# Altium PCB STB_ControlBoard.PcbDoc (part 1 of 3) (continued)
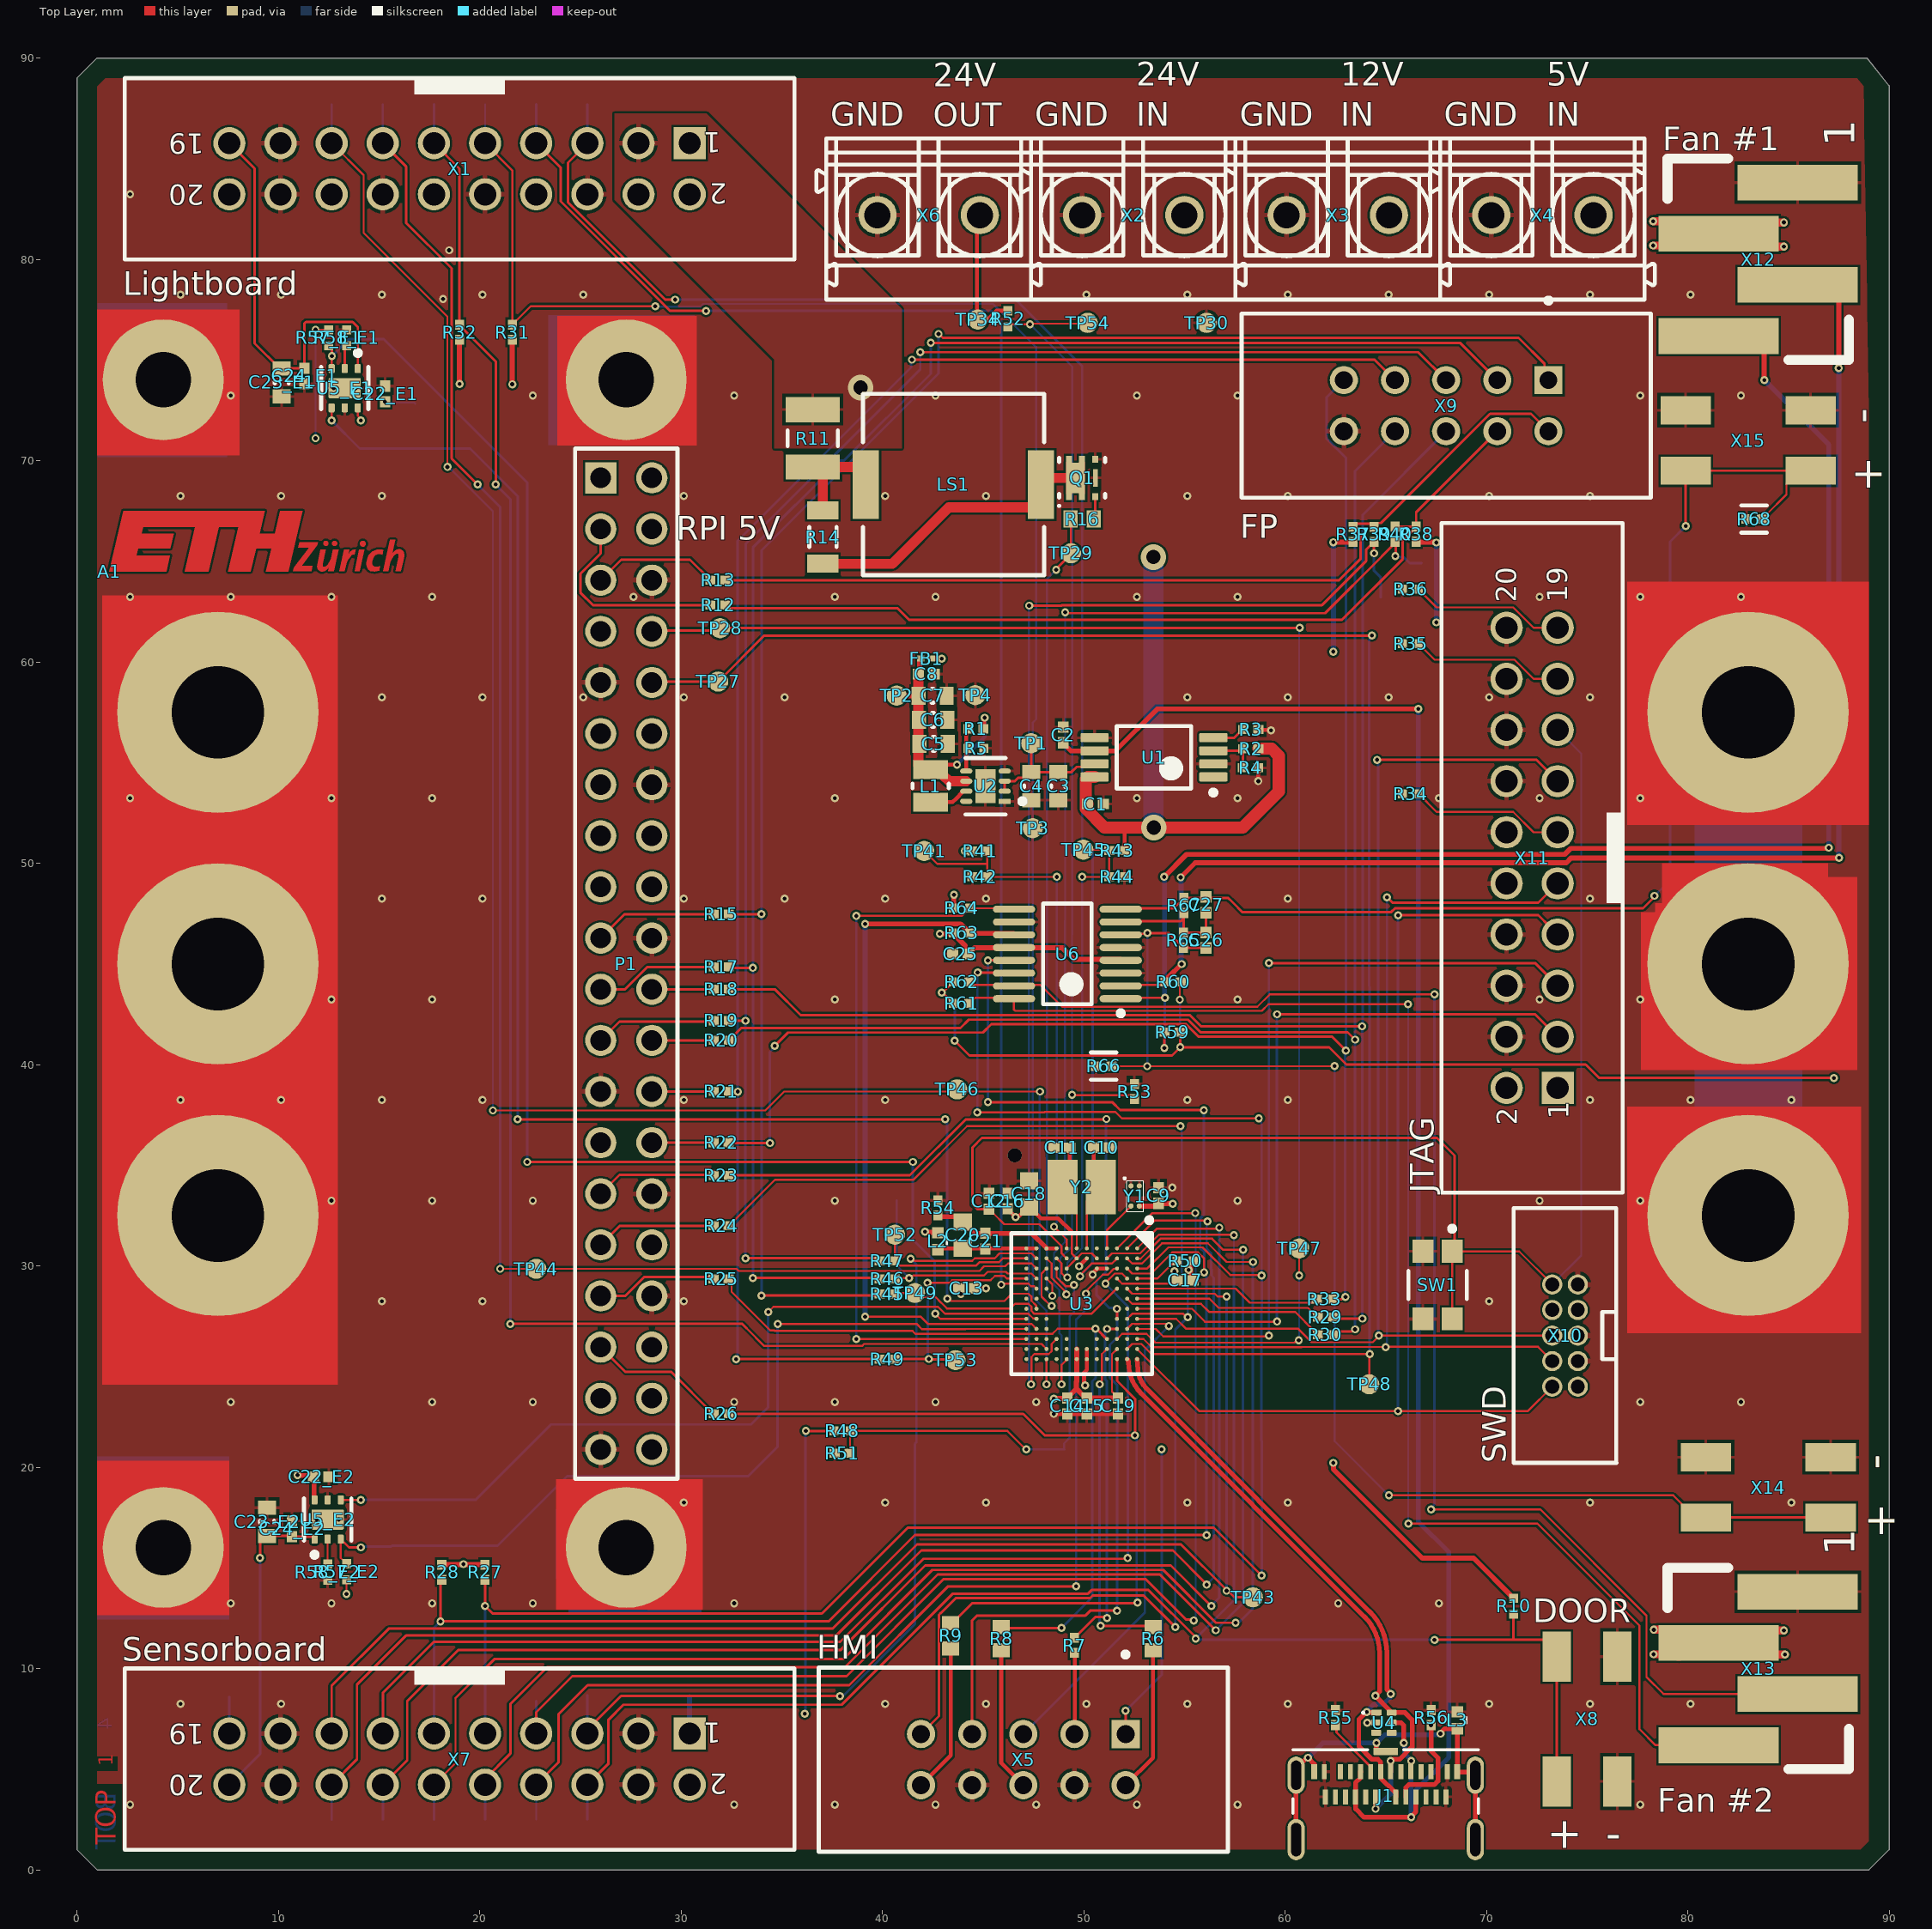
[diagram p0: Top Layer view]
## Part data
A1: library part CMP-00038-1
C1 C2 C8 C9 C12 C13 C14 C15 C16 C17 C19 C21 C22_E1 C22_E2 C24_E1 C24_E2 C25: library part CMP-2000-05439-1, "Chip Capacitor, 100 nF, +/- 10%, 16 V, -55 to 125 degC, 0402 (1005 Metric), RoHS, Tape and Reel", Capacitor Type=Ceramic, Case Size/Dimension=0402, Dielectric=X7R, Manufacturer="Samsung Electro-Mechanics", Manufacturer Part Number=CL05B104KO5NNNC, Max Operating Temperature=125°C, Min Operating Temperature=-55°C, Negative Tolerance=10%, Package Shape=Rectangular, Package Style=SMTMeter, Rated DC Voltage (URdc)=16V, Supplier Part Number 1=1276-1001-6-ND, Tolerance (%)=±10%, Category="Ceramic Capacitors", ComponentLink1Description=https://datasheet.ciiva.com:443/pdfs/VipMasterIC/IC/SEMS/SEMS-S-A0008384515/SEMS-S-A0008872921-1.pdf?src-supplier=IHS+Markit, ComponentLink1URL=https://datasheet.ciiva.com:443/pdfs/VipMasterIC/IC/SEMS/SEMS-S-A0008384515/SEMS-S-A0008872921-1.pdf?src-supplier=IHS+Markit, ComponentLink2Description=https://datasheet.ciiva.com/26920/getdatasheetpartid-359683-26920169.pdf?src-supplier=Verical, ComponentLink2URL=https://datasheet.ciiva.com/26920/getdatasheetpartid-359683-26920169.pdf?src-supplier=Verical, ComponentLink3Description=https://datasheet.ciiva.com/29198/458718-da-01-en-vs-kondensator-0402-29198423.pdf?src-supplier=Conrad, ComponentLink3URL=https://datasheet.ciiva.com/29198/458718-da-01-en-vs-kondensator-0402-29198423.pdf?src-supplier=Conrad, ComponentLink4Description=https://datasheet.ciiva.com/26309/mlcc-catalogdownload2013-eng-26309003.pdf?src-supplier=Distrelec, ComponentLink4URL=https://datasheet.ciiva.com/26309/mlcc-catalogdownload2013-eng-26309003.pdf?src-supplier=Distrelec, ComponentLink5Description=https://datasheet.ciiva.com/16208/cl05b104kq5nnnc-16208343.pdf?src-supplier=Future+Electronics, ComponentLink5URL=https://datasheet.ciiva.com/16208/cl05b104kq5nnnc-16208343.pdf?src-supplier=Future+Electronics, Datasheet URL=https://datasheet.ciiva.com/29198/458718-da-01-en-vs-kondensator-0402-29198423.pdf, Datasheet Version=Nov-10, Dielectric Material=Ceramic, Height=0.55mm, JESD-609 Code=e3, Length=1mm, Manufacturer URL=http://www.samsungsem.com/global/index.jsp, Mount="Surface Mount", Multilayer=Yes, Number of Pins=2, Packaging="Tape and Reel", Positive Tolerance=10%, Pricing 1="1=0.10000, 10=0.02400, 50=0.01300, 100=0.01050, 500=0.00752, 1000=0.00592, 2500=0.00538, 5000=0.00495 (USD)", Rated Voltage=16V, REACH SVHC=Yes, RoHS=Yes, RoHS Compliant=Yes, Size Code=0402, Stock 1=24854634, Supplier 1=Digi-Key, Temperature Characteristics Code=X7R, Terminal Finish=Nickel, Termination=Wraparound, Width=0.5mm
C3 C4 C5 C6 C7 C23_E1 C23_E2: library part CMP-1035-02799-1, "CAP 10uF 10V ±10% 0603 (1608 Metric) Thickness 1mm SMD", Case Code (Imperial)=0603, Case Code (Metric)=1608, Dielectric=X5R, Manufacturer=Samsung, Manufacturer Part Number=CL10A106MP8NNNC, Max Operating Temperature=85°C, Min Operating Temperature=-55°C, Package Quantity=1, Rated Voltage="10 V", Supplier Part Number 1=1276-1871-1-ND, Tolerance=Â±10%, Voltage Rating=10V, Capacitance=10uF, Case-EIA=0603, Case-Metric=1608, Case/Package=0603, Category="Ceramic Capacitors", ComponentLink1Description=https://datasheet.ciiva.com/25793/cl10a106mp8nnnc-25793222.pdf?src-supplier=Digi-Key, ComponentLink1URL=https://datasheet.ciiva.com/25793/cl10a106mp8nnnc-25793222.pdf?src-supplier=Digi-Key, ComponentLink2Description=https://datasheet.ciiva.com/16200/cl10a106mp8nnnc-16200411.pdf?src-supplier=Future+Electronics, ComponentLink2URL=https://datasheet.ciiva.com/16200/cl10a106mp8nnnc-16200411.pdf?src-supplier=Future+Electronics, ComponentLink3Description=https://datasheet.ciiva.com/26946/getdatasheetpartid-357531-26946980.pdf?src-supplier=Verical, ComponentLink3URL=https://datasheet.ciiva.com/26946/getdatasheetpartid-357531-26946980.pdf?src-supplier=Verical, Contact Plating=Tin, Depth=0.8mm, Height=0.8mm, Lead Free="Lead Free", Length=1.6mm, Max Thickness="1 mm", Mount="Surface Mount", Packaging="Tape and Reel", Pricing 1="1=0.26000, 10=0.17600, 50=0.10580, 100=0.08930, 500=0.06112, 1000=0.05407 (USD)", Radiation Hardening=No, RoHS=Yes, Stock 1=643992, Supplier 1=Digi-Key, Technology=SMT, Thickness=0.035inch, Voltage Rating (DC)=10V, Width=0.031inch
C10 C11: library part CMP-2008-03924-1, Capacitor Type=Ceramic, Manufacturer=Murata, Manufacturer Part Number=GRM1555C1H160JA01D, Max Operating Temperature=125°C, Min Operating Temperature=-55°C, Negative Tolerance=5%, Package Shape=Rectangular, Package Style=SMTMeter, Rated DC Voltage (URdc)=50V, Supplier Part Number 1=490-5926-6-ND, Temperature Characteristics Code=C0G, Category="Ceramic Capacitors", ComponentLink1Description=https://datasheet.ciiva.com:443/pdfs/VipMasterIC/IC/MURE/MURE-S-A0004347008/MURE-S-A0004347353-1.pdf?src-supplier=IHS+Markit, ComponentLink1URL=https://datasheet.ciiva.com:443/pdfs/VipMasterIC/IC/MURE/MURE-S-A0004347008/MURE-S-A0004347353-1.pdf?src-supplier=IHS+Markit, ComponentLink2Description=https://datasheet.ciiva.com/6256/grm1555c1h160ja01-01-6256808.pdf?src-supplier=Digi-Key, ComponentLink2URL=https://datasheet.ciiva.com/6256/grm1555c1h160ja01-01-6256808.pdf?src-supplier=Digi-Key, ComponentLink3Description=https://datasheet.ciiva.com/3778/10932grm1555c1h160ja0123-3778199.pdf?src-supplier=Arrow+Electronics, ComponentLink3URL=https://datasheet.ciiva.com/3778/10932grm1555c1h160ja0123-3778199.pdf?src-supplier=Arrow+Electronics, ComponentLink4Description=https://datasheet.ciiva.com/18184/getdatasheetpartid-319096-18184204.pdf?src-supplier=Verical, ComponentLink4URL=https://datasheet.ciiva.com/18184/getdatasheetpartid-319096-18184204.pdf?src-supplier=Verical, ComponentLink5Description=https://datasheet.ciiva.com/22698/1666664-22698393.pdf?src-supplier=Element14, ComponentLink5URL=https://datasheet.ciiva.com/22698/1666664-22698393.pdf?src-supplier=Element14, ComponentLink6Description=https://datasheet.ciiva.com/6256/partnumbering-e-01-6256810.pdf?src-supplier=Digi-Key, ComponentLink6URL=https://datasheet.ciiva.com/6256/partnumbering-e-01-6256810.pdf?src-supplier=Digi-Key, ComponentLink7Description=https://datasheet.ciiva.com/6256/partnumbering-e-01-6256812.pdf?src-supplier=Digi-Key, ComponentLink7URL=https://datasheet.ciiva.com/6256/partnumbering-e-01-6256812.pdf?src-supplier=Digi-Key, ComponentLink8Description=https://datasheet.ciiva.com/5426/product-5426941.pdf?src-supplier=Mouser, ComponentLink8URL=https://datasheet.ciiva.com/5426/product-5426941.pdf?src-supplier=Mouser, Dielectric Material=Ceramic, Height=0.5mm, JESD-609 Code=e3, Length=1mm, Mount="Surface Mount", Multilayer=Yes, Number of Pins=2, Packaging="Tape and Reel", Part Number=GRM1555C1H160JA01D, Positive Tolerance=5%, Pricing 1="1=0.10000, 10=0.05200, 50=0.02840, 100=0.02330, 500=0.01662, 1000=0.01305, 2500=0.01187, 5000=0.01092 (USD)", Reach SVHC Compliant=Yes, RoHS=Yes, RoHS Compliant=Yes, Size Code=0402, Stock 1=2256141, Supplier 1=Digi-Key, Terminal Finish=Nickel, Termination=Wraparound, Width=0.5mm
C18 C20: library part CMP-2006-02298-2, Capacitor Type=Ceramic, Manufacturer=Kemet, Manufacturer Part Number=C0603C105K4RACTU, Max Operating Temperature=125°C, Min Operating Temperature=-55°C, Negative Tolerance=10%, Package Shape=Rectangular, Package Style=SMTMeter, Rated DC Voltage (URdc)=16V, Supplier Part Number 1=399-C0603C105K4RAC7867DKR-ND, Temperature Characteristics Code=X7R, Category="Ceramic Capacitors", ComponentLink1Description=https://datasheet.ciiva.com:443/pdfs/VipMasterIC/IC/KEME/KEME-S-A0008991654/KEME-S-A0008991654-1.pdf?src-supplier=IHS+Markit, ComponentLink1URL=https://datasheet.ciiva.com:443/pdfs/VipMasterIC/IC/KEME/KEME-S-A0008991654/KEME-S-A0008991654-1.pdf?src-supplier=IHS+Markit, Dielectric Material=Ceramic, Height=0.8mm, JESD-609 Code=e3, Length=1.6mm, Mount="Surface Mount", Multilayer=Yes, Number of Pins=2, Packaging="Tape and Reel", Part Number=C0603C105K4RACTU, Positive Tolerance=10%, Pricing 1="1=0.10000, 10=0.07700, 50=0.04180, 100=0.03410, 500=0.02440, 1000=0.01916 (USD)", REACH SVHC=Yes, RoHS=Yes, RoHS Compliant=Yes, Size Code=0603, Stock 1=1549593, Supplier 1=Digi-Key, Terminal Finish=Nickel, Termination=Wraparound, Width=0.8mm
C26 C27: library part CMP-2008-02464-1, Capacitor Type=Ceramic, Manufacturer="AVX Interconnect / Elco", Manufacturer Part Number=04023A101KAT2A, Max Operating Temperature=125°C, Min Operating Temperature=-55°C, Negative Tolerance=10%, Package Shape=Rectangular, Package Style=SMTMeter, Rated DC Voltage (URdc)=25V, Supplier Part Number 1=478-12608-6-ND, Temperature Characteristics Code=C0G, Category="Ceramic Capacitors", ComponentLink1Description=https://datasheet.ciiva.com:443/pdfs/VipMasterIC/IC/AVXC/AVXC-S-A0008899940/AVXC-S-A0008899940-1.pdf?src-supplier=IHS+Markit, ComponentLink1URL=https://datasheet.ciiva.com:443/pdfs/VipMasterIC/IC/AVXC/AVXC-S-A0008899940/AVXC-S-A0008899940-1.pdf?src-supplier=IHS+Markit, ComponentLink2Description=https://datasheet.ciiva.com/26949/getdatasheetpartid-709922-26949850.pdf?src-supplier=Verical, ComponentLink2URL=https://datasheet.ciiva.com/26949/getdatasheetpartid-709922-26949850.pdf?src-supplier=Verical, ComponentLink3Description=https://datasheet.ciiva.com/206/ccog-206339.pdf?src-supplier=Digi-Key, ComponentLink3URL=https://datasheet.ciiva.com/206/ccog-206339.pdf?src-supplier=Digi-Key, ComponentLink4Description=https://datasheet.ciiva.com/7348/759117-7348584.pdf?src-supplier=Newark, ComponentLink4URL=https://datasheet.ciiva.com/7348/759117-7348584.pdf?src-supplier=Newark, ComponentLink5Description=https://datasheet.ciiva.com/2990/ccog-2990123.pdf?src-supplier=Avnet, ComponentLink5URL=https://datasheet.ciiva.com/2990/ccog-2990123.pdf?src-supplier=Avnet, ComponentLink6Description=https://datasheet.ciiva.com/28453/1796416-28453629.pdf?src-supplier=Element14, ComponentLink6URL=https://datasheet.ciiva.com/28453/1796416-28453629.pdf?src-supplier=Element14, Dielectric Material=Ceramic, Height=0.56mm, JESD-609 Code=e3, Length=1mm, Mount="Surface Mount", Multilayer=Yes, Number of Pins=2, Packaging="Tape and Reel", Part Number=04023A101KAT2A, Positive Tolerance=10%, Pricing 1="1=0.11000, 10=0.07800, 50=0.04240, 100=0.03460, 500=0.02474, 1000=0.01944, 2500=0.01768, 5000=0.01626 (USD)", REACH SVHC=Yes, RoHS=Yes, RoHS Compliant=Yes, Size Code=0402, Stock 1=32266, Supplier 1=Digi-Key, Terminal Finish=Nickel, Termination=Wraparound, Width=0.5mm
FB1: library part CMP-0686-00058-2, "Chip Ferrite Bead for Power lines and Signal Lines, 80 Ohm, 500 mA, -55 to 125 degC, 0.6 x 0.3 x 0.33 mm SMD, Tape and Reel", Case Code (Imperial)=0201, Case Code (Metric)=0603, Current Rating=500mA, DC Resistance="0.18 Ohm Max.", DC Resistance (DCR)=180mR, Manufacturer=Murata, Manufacturer Part Number=BLM03AX800SN1D, Max Operating Temperature=125°C, Min Operating Temperature=-55°C, Operating Temperature Range="-55 to 125 degC", Package Quantity=1, Rated Current="500 mA", Supplier Part Number 1=490-5621-1-ND, Test Frequency=100MHz, Tolerance=25%, Case/Package=0201, Category=Inductors, ComponentLink1Description="Manufacturer URL", ComponentLink1URL=http://www.murata.com/, ComponentLink2Description=Datasheet, ComponentLink2URL=http://www.murata.com/products/catalog/pdf/c31e.pdf, ComponentLink3Description="Package Specification", ComponentLink3URL=http://www.murata.com/products/catalog/pdf/c31e.pdf, ComponentLink4Description=https://datasheet.ciiva.com/1013/l0110s0100blm03ax-1013986.pdf?src-supplier=Digi-Key, ComponentLink4URL=https://datasheet.ciiva.com/1013/l0110s0100blm03ax-1013986.pdf?src-supplier=Digi-Key, ComponentLink5Description=https://datasheet.ciiva.com/41449/001172131-da-01-en-drossel-0201-80r-0-6x0-3mm-15000st-41449422.pdf?src-supplier=Conrad, ComponentLink5URL=https://datasheet.ciiva.com/41449/001172131-da-01-en-drossel-0201-80r-0-6x0-3mm-15000st-41449422.pdf?src-supplier=Conrad, ComponentLink6Description=https://datasheet.ciiva.com/1013/l0110e-1013987.pdf?src-supplier=Digi-Key, ComponentLink6URL=https://datasheet.ciiva.com/1013/l0110e-1013987.pdf?src-supplier=Digi-Key, ComponentLink7Description=https://datasheet.ciiva.com/1013/l0110e-1013988.pdf?src-supplier=Digi-Key, ComponentLink7URL=https://datasheet.ciiva.com/1013/l0110e-1013988.pdf?src-supplier=Digi-Key, ComponentLink8Description=https://datasheet.ciiva.com/46423/1851884-46423882.pdf?src-supplier=Element14, ComponentLink8URL=https://datasheet.ciiva.com/46423/1851884-46423882.pdf?src-supplier=Element14, DatasheetVersion=08/2013, Height=0.3mm, Impedance=80R, Impedance (at 100 MHz)="80 Ohm +/- 25%", Length=0.6mm, Material=Steel, Max Current Rating=500mA, Max DC Current=500mA, Mounting Technology="Surface Mount", Number of Circuits=1, Number of Lines=1, Number of Pins=2, PackageDescription="2-Pin Chip, Body 0.6 x 0.3 mm", PackageReference=BLM03-2, Packaging="Tape and Reel", Packing="Tape and Reel", PartNumber=BLM03AX800SN1D, Pricing 1="1=0.19000, 10=0.15200, 25=0.11840, 50=0.09820, 100=0.08470, 250=0.06776, 500=0.06098, 1000=0.05082, 5000=0.04743 (USD)", REACH SVHC="No SVHC", RoHS=Yes, Stock 1=13310, Supplier 1=Digi-Key, Termination=SMD/SMT, Width=0.3mm
J1: library part CMP-00966-1, "USB TYPE C, REC IPX8 ON BOARD DUAL SMT", Flammability Rating="UL 94 V-0", IP Rating=IP67, Manufacturer="TE Connectivity", Contact Material="Copper Alloy", Contact Plating=Gold, Gender=Female, Manufacturer Part Number=2305018-2, Mounting Angle="Right Angle", Mounting Style=Panel, Number of Contacts=24, Number of Ports=1, PartId=1, Shell Plating=Nickel, Standard=USB, Termination Style=SMD/SMT, Type=C
L1: library part CMP-01651-1, "2.2µH Shielded Wirewound Inductor 1.8A 116mOhm Max 0806 (2016 Metric)", Current - Saturation=2.4A, Current Rating (Amps)=1,8A, DC Resistance (DCR)="116mOhm Max", Frequency - Self Resonant=-, Inductance=2,2µH, Inductance Frequency - Test=1MHz, Manufacturer="Murata Electronics", Manufacturer Part Number=DFE201612E-2R2M=P2, Operating Temperature="-40°C ~ 125°C", Package / Case="0806 (2016 Metric)", Supplier Device Package=0806, Tolerance=±20%, Features=-, Material - Core=Metal, Mounting Type="Surface Mount", Packaging="Tape & Reel (TR)", Part Status=Active, Q @ Freq=-, Ratings=-, Series=DFE201612E, Shielding=Shielded, Type=Wirewound
L2 L3: library part CMP-00193-1, "30 Ohm 1 Power, Signal Line Ferrite Bead 0402 (1005 Metric) 500mA 300 mOhm Max DCR", Current Rating (Max)=500mA, DC Resistance (DCR) (Max)="300 mOhm", Impedance @ Frequency="30 Ohm @ 100MHz", Manufacturer="Laird-Signal Integrity Products", Operating Temperature="-40°C ~ 125°C", Package / Case="0402 (1005 Metric)", Ratings=-, Supplier Part Number=240-2362-1-ND, ComponentLink1Description=Catalog_EMI%20Filtering%20&%20RF%20Inductors.pdf, ComponentLink1URL=http://cdn.lairdtech.com/home/brandworld/files/Catalog_EMI%20Filtering%20&%20RF%20Inductors.pdf, Filter Type="Power, Signal Line", Manufacturer Part Number=LI0402E300R-10, Mounting Type="Surface Mount", Number of Lines=1, Packaging="Cut Tape (CT)", Part Status=Active, Supplier=Digi-Key
LS1: library part CMP-2000-05252-1, "Audio Indicators & Alerts Piezo Buzzer, 12.5 V, -40 to 85 degC, 2-Pin SMD, RoHS, Tape and Reel", Frequency=4kHz, Manufacturer=Murata, Voltage Rating=12.5VDC, Application=AlertBeep, Brand=MurataElectronics, Datasheet URL=https://datasheet.ciiva.com/24244/pkmcs0909e4000-r1-304946-24244386.pdf, Datasheet Version=Feb-13, Dimensions=9mmLx9mmWx1.9mmH, Factory Pack Quantity=2000, Height=1.9mm, Height - in=0.075in, Height - mm=1.9mm, Length=9mm, Length - in=0.354in, Length - mm=9mm, Manufacturer Part Number=PKMCS0909E4000-R1, Manufacturer URL=http://www.murata.com/, Mounting=SMD/SMT, Packaging=Reel, Product=Speakers, Product Category=AudioIndicators&Alerts, RoHS=True, Series=PK, Sound Pressure Level=65dBA, Termination Style=GullwingLead, Tone=Beep, Tradename=PIEZORINGER, Type=Piezoelectric, Width=9mm, Width - in=0.354in, Width - mm=9mm
M1 M2: "EMI/EMD/EMC Protections", Manufacturer="Phoenix Contact", Supplier Part Number 1=277-2289-ND, Category=Connectors, ComponentLink1Description=https://datasheet.ciiva.com:443/pdfs/VipMasterIC/IC/PCON/PCON-S-A0000016077/PCON-S-A0000017096-1.pdf?src-supplier=IHS+Markit, ComponentLink1URL=https://datasheet.ciiva.com:443/pdfs/VipMasterIC/IC/PCON/PCON-S-A0000016077/PCON-S-A0000017096-1.pdf?src-supplier=IHS+Markit, ComponentLink2Description=https://datasheet.ciiva.com/6712/1202713-6712528.pdf?src-supplier=Digi-Key, ComponentLink2URL=https://datasheet.ciiva.com/6712/1202713-6712528.pdf?src-supplier=Digi-Key, ComponentLink3Description=https://datasheet.ciiva.com/15656/1202713-15656099.pdf?src-supplier=Onlinecomponents.com, ComponentLink3URL=https://datasheet.ciiva.com/15656/1202713-15656099.pdf?src-supplier=Onlinecomponents.com, ComponentLink4Description=https://datasheet.ciiva.com/29271/715928-da-01-de-schienenadapter-1202713-10-st-29271415.pdf?src-supplier=Conrad, ComponentLink4URL=https://datasheet.ciiva.com/29271/715928-da-01-de-schienenadapter-1202713-10-st-29271415.pdf?src-supplier=Conrad, ComponentLink5Description=https://datasheet.ciiva.com/14616/70171402-14616683.pdf?src-supplier=Allied+Electronics, ComponentLink5URL=https://datasheet.ciiva.com/14616/70171402-14616683.pdf?src-supplier=Allied+Electronics, Manufacturer Part Number=1202713, Pricing 1="1=1.92000, 10=1.47000, 50=1.35240, 100=1.24950, 250=1.19072, 500=1.11720, 1000=1.05876, 2500=1.03951, 5000=1.02411 (USD)", RoHS=Yes, Stock 1=1956, Supplier 1=Digi-Key
P1: library part CMP-1024-00454-1, "0.025\" SQ Post Header, Through-hole, Vertical, -55 to 125 degC, 2.54 mm Pitch, 40-Pin, Male, RoHS", Manufacturer=Samtec, Temperature Range="-55 to 125 degC", ComponentLink1Description="Manufacturer URL", ComponentLink1URL=http://www.samtec.com, ComponentLink2Description=Datasheet, ComponentLink2URL=http://www.samtec.com/documents/webfiles/pdf/TSW_TH.PDF, ComponentLink3Description="Package Specification", ComponentLink3URL=http://www.samtec.com/documents/webfiles/cpdf/TSW-XXX-XX-XXX-X-XX-XXX-MKT.pdf, DatasheetVersion=F-214, Manufacturer Part Number=TSW-120-24-L-D, Mounting Technology=Through-hole, Orientation=Vertical, PackageDescription=".025[0.64] SQ. Post Terminal Strip Assembly", PackageReference=TSW-120-24-X-D, PackageVersion="DM, 8/1988", Pitch="2.54 mm", RoHS=True
Q1: "VISHAY   SIA440DJ-T1-GE3   MOSFET Transistor, N Channel, 12 A, 40 V, 0.021 ohm, 10 V", Continuous Drain Current (ID)=12A, Drain to Source Breakdown Voltage=40V, Drain to Source Resistance=26mR, Gate to Source Voltage (Vgs)=12V, Input Capacitance=700pF, Manufacturer="Vishay Siliconix", Max Operating Temperature=150°C, Max Power Dissipation=19W, Min Operating Temperature=-55°C, Package Quantity=3000, Supplier Part Number 1=SIA440DJ-T1-GE3CT-ND, Category=MOSFETs, ComponentLink1Description=https://datasheet.ciiva.com/29746/sia440dj-29746688.pdf?src-supplier=Digi-Key, ComponentLink1URL=https://datasheet.ciiva.com/29746/sia440dj-29746688.pdf?src-supplier=Digi-Key, ComponentLink2Description=https://datasheet.ciiva.com/24094/sia440dj-267638-24094753.pdf?src-supplier=Mouser, ComponentLink2URL=https://datasheet.ciiva.com/24094/sia440dj-267638-24094753.pdf?src-supplier=Mouser, Drain to Source Voltage (Vdss)=40V, Element Configuration=Single, Fall Time=5ns, Height=0.75mm, Length=2.05mm, Manufacturer Part Number=SIA440DJ-T1-GE3, Mount="Surface Mount", Number of Channels=1, Number of Pins=6, Packaging="Tape and Reel", Pricing 1="1=0.46000, 10=0.39000, 25=0.36400, 100=0.27040, 250=0.25688, 500=0.21112, 1000=0.17160 (USD)", Radiation Hardening=No, Rds On Max=26mR, REACH SVHC=Unknown, Rise Time=32ns, RoHS=Yes, Stock 1=7570, Supplier 1=Digi-Key, Turn-Off Delay Time=23ns, Turn-On Delay Time=12ns, Width=2.05mm
R1 R2: library part CMP-2002-07696-1, Manufacturer="Yageo / Phycomp", Manufacturer Part Number=RC0402FR-07470KL, Max Operating Temperature=155°C, Min Operating Temperature=-55°C, Package Height=0.35mm, Package Length=1mm, Package Shape=Rectangular, Package Style=SMTMeter, Package Width=0.5mm, Rated Power Dissipation (P)=62.5mW, Rated Temperature=70°C, Resistor Type="FIXED RESISTOR", Supplier Part Number 1=311-470KLRDKR-ND, Temperature Coefficient=100ppm/°C, Tolerance=1%, Working Voltage=50V, Additional Feature="LASER TRIMMABLE", Category="Chip SMD Resistors", ComponentLink1Description=https://datasheet.ciiva.com:443/pdfs/VipMasterIC/IC/YAGO/YAGO-S-A0008145938/YAGO-S-A0008145938-1.pdf?src-supplier=IHS+Markit, ComponentLink1URL=https://datasheet.ciiva.com:443/pdfs/VipMasterIC/IC/YAGO/YAGO-S-A0008145938/YAGO-S-A0008145938-1.pdf?src-supplier=IHS+Markit, ComponentLink2Description=https://datasheet.ciiva.com/11819/0900766b80c66297-11819514.pdf?src-supplier=RSComponents, ComponentLink2URL=https://datasheet.ciiva.com/11819/0900766b80c66297-11819514.pdf?src-supplier=RSComponents, ComponentLink3Description=https://datasheet.ciiva.com/46412/1018594-46412837.pdf?src-supplier=Element14, ComponentLink3URL=https://datasheet.ciiva.com/46412/1018594-46412837.pdf?src-supplier=Element14, ComponentLink4Description=https://datasheet.ciiva.com/2453/pyu-r-int-thick-7-2453434.pdf?src-supplier=Digi-Key, ComponentLink4URL=https://datasheet.ciiva.com/2453/pyu-r-int-thick-7-2453434.pdf?src-supplier=Digi-Key, ComponentLink5Description=https://datasheet.ciiva.com/2453/pyu-r-int-thick-7-2453435.pdf?src-supplier=Digi-Key, ComponentLink5URL=https://datasheet.ciiva.com/2453/pyu-r-int-thick-7-2453435.pdf?src-supplier=Digi-Key, ComponentLink6Description=https://datasheet.ciiva.com/2453/pyu-r-int-thick-7-2453433.pdf?src-supplier=Digi-Key, ComponentLink6URL=https://datasheet.ciiva.com/2453/pyu-r-int-thick-7-2453433.pdf?src-supplier=Digi-Key, ComponentLink7Description=https://datasheet.ciiva.com/7850/1018594-7850012.pdf?src-supplier=Element14, ComponentLink7URL=https://datasheet.ciiva.com/7850/1018594-7850012.pdf?src-supplier=Element14, ComponentLink8Description=https://datasheet.ciiva.com/7850/1018594-7850013.pdf?src-supplier=Element14, ComponentLink8URL=https://datasheet.ciiva.com/7850/1018594-7850013.pdf?src-supplier=Element14, ComponentLink9Description=https://datasheet.ciiva.com/15189/getdatasheetpartid-325138-15189462.pdf?src-supplier=Verical, ComponentLink9URL=https://datasheet.ciiva.com/15189/getdatasheetpartid-325138-15189462.pdf?src-supplier=Verical, Construction=Chip, JESD-609 Code=e3, Mount="Surface Mount", Number of Pins=2, Packaging="Tape and Reel", Part Number=RC0402FR-07470KL, Pricing 1="1=0.10000, 10=0.01500, 100=0.00600, 1000=0.00267, 2500=0.00232, 5000=0.00192 (USD)", REACH SVHC=Yes, RoHS=Yes, RoHS Compliant=Yes, Size Code=0402, Stock 1=1650716, Supplier 1=Digi-Key, Technology="METAL GLAZE/THICK FILM", Terminal Finish=Nickel, Termination=Wraparound
R3: library part CMP-2002-07472-1, Manufacturer="Yageo / Phycomp", Manufacturer Part Number=RC0402FR-071KL, Max Operating Temperature=155°C, Min Operating Temperature=-55°C, Package Height=0.35mm, Package Length=1mm, Package Shape=Rectangular, Package Style=SMTMeter, Package Width=0.5mm, Rated Power Dissipation (P)=62.5mW, Rated Temperature=70°C, Resistor Type="FIXED RESISTOR", Supplier Part Number 1=311-1.00KLRCT-ND, Temperature Coefficient=100ppm/°C, Tolerance=1%, Working Voltage=50V, Additional Feature="LASER TRIMMABLE", Category="Chip SMD Resistors", ComponentLink1Description=https://datasheet.ciiva.com:443/pdfs/VipMasterIC/IC/YAGO/YAGO-S-A0008145938/YAGO-S-A0008145938-1.pdf?src-supplier=IHS+Markit, ComponentLink1URL=https://datasheet.ciiva.com:443/pdfs/VipMasterIC/IC/YAGO/YAGO-S-A0008145938/YAGO-S-A0008145938-1.pdf?src-supplier=IHS+Markit, ComponentLink2Description=http://www.farnell.com/datasheets/2167052.pdf?src-supplier=Newark, ComponentLink2URL=http://www.farnell.com/datasheets/2167052.pdf?src-supplier=Newark, Construction=Chip, JESD-609 Code=e3, Mount="Surface Mount", Number of Pins=2, Packaging="Tape and Reel", Part Number=RC0402FR-071KL, Pricing 1="1=0.10000, 10=0.01500, 100=0.00600, 1000=0.00267, 2500=0.00232, 5000=0.00192 (USD)", REACH SVHC=Yes, RoHS=Yes, RoHS Compliant=Yes, Size Code=0402, Stock 1=39605131, Supplier 1=Digi-Key, Technology="METAL GLAZE/THICK FILM", Terminal Finish=Nickel, Termination=Wraparound
R4 R7 R41 R42 R43 R44 R51 R53: library part CMP-2002-07343-1, Manufacturer="Yageo / Phycomp", Manufacturer Part Number=RC0402FR-07100KL, Max Operating Temperature=155°C, Min Operating Temperature=-55°C, Package Height=0.35mm, Package Length=1mm, Package Shape=Rectangular, Package Style=SMTMeter, Package Width=0.5mm, Rated Power Dissipation (P)=62.5mW, Rated Temperature=70°C, Resistor Type="FIXED RESISTOR", Supplier Part Number 1=311-100KLRDKR-ND, Temperature Coefficient=100ppm/°C, Tolerance=1%, Working Voltage=50V, Additional Feature="LASER TRIMMABLE", Category="Chip SMD Resistors", ComponentLink1Description=https://datasheet.ciiva.com:443/pdfs/VipMasterIC/IC/YAGO/YAGO-S-A0008145938/YAGO-S-A0008145938-1.pdf?src-supplier=IHS+Markit, ComponentLink1URL=https://datasheet.ciiva.com:443/pdfs/VipMasterIC/IC/YAGO/YAGO-S-A0008145938/YAGO-S-A0008145938-1.pdf?src-supplier=IHS+Markit, Construction=Chip, JESD-609 Code=e3, Mount="Surface Mount", Number of Pins=2, Packaging="Tape and Reel", Part Number=RC0402FR-07100KL, Pricing 1="1=0.10000, 10=0.01500, 100=0.00600, 1000=0.00267, 2500=0.00232, 5000=0.00192 (USD)", REACH SVHC=Yes, RoHS=Yes, RoHS Compliant=Yes, Size Code=0402, Stock 1=43269933, Supplier 1=Digi-Key, Technology="METAL GLAZE/THICK FILM", Terminal Finish=Nickel, Termination=Wraparound
R5: library part CMP-2002-08212-1, Manufacturer=Yageo, Manufacturer Part Number=RC0402FR-07150KL, Max Operating Temperature=155°C, Min Operating Temperature=-55°C, Package Height=0.35mm, Package Length=1mm, Package Shape=Rectangular, Package Style=SMTMeter, Package Width=0.5mm, Rated Power Dissipation (P)=62.5mW, Rated Temperature=70°C, Resistor Type="FIXED RESISTOR", Supplier Part Number 1=2693578, Temperature Coefficient=100ppm/°C, Tolerance=1%, Working Voltage=50V, Additional Feature="LASER TRIMMABLE", Category="Chip SMD Resistors", ComponentLink1Description=https://datasheet.ciiva.com:443/pdfs/VipMasterIC/IC/YAGO/YAGO-S-A0008145938/YAGO-S-A0008145938-1.pdf?src-supplier=IHS+Markit, ComponentLink1URL=https://datasheet.ciiva.com:443/pdfs/VipMasterIC/IC/YAGO/YAGO-S-A0008145938/YAGO-S-A0008145938-1.pdf?src-supplier=IHS+Markit, ComponentLink2Description=https://datasheet.ciiva.com/6067/1686128-6067913.pdf?src-supplier=Farnell, ComponentLink2URL=https://datasheet.ciiva.com/6067/1686128-6067913.pdf?src-supplier=Farnell, ComponentLink3Description=https://datasheet.ciiva.com/7983/1018594-7983494.pdf?src-supplier=Element14, ComponentLink3URL=https://datasheet.ciiva.com/7983/1018594-7983494.pdf?src-supplier=Element14, ComponentLink4Description=https://datasheet.ciiva.com/2453/pyu-r-int-thick-7-2453602.pdf?src-supplier=Digi-Key, ComponentLink4URL=https://datasheet.ciiva.com/2453/pyu-r-int-thick-7-2453602.pdf?src-supplier=Digi-Key, ComponentLink5Description=https://datasheet.ciiva.com/2453/pyu-r-int-thick-7-2453603.pdf?src-supplier=Digi-Key, ComponentLink5URL=https://datasheet.ciiva.com/2453/pyu-r-int-thick-7-2453603.pdf?src-supplier=Digi-Key, ComponentLink6Description=https://datasheet.ciiva.com/2453/pyu-r-int-thick-7-2453601.pdf?src-supplier=Digi-Key, ComponentLink6URL=https://datasheet.ciiva.com/2453/pyu-r-int-thick-7-2453601.pdf?src-supplier=Digi-Key, ComponentLink7Description=https://datasheet.ciiva.com/7849/1018594-7849837.pdf?src-supplier=Element14, ComponentLink7URL=https://datasheet.ciiva.com/7849/1018594-7849837.pdf?src-supplier=Element14, ComponentLink8Description=https://datasheet.ciiva.com/7849/1018594-7849836.pdf?src-supplier=Element14, ComponentLink8URL=https://datasheet.ciiva.com/7849/1018594-7849836.pdf?src-supplier=Element14, ComponentLink9Description=https://datasheet.ciiva.com/15189/getdatasheetpartid-326416-15189356.pdf?src-supplier=Verical, ComponentLink9URL=https://datasheet.ciiva.com/15189/getdatasheetpartid-326416-15189356.pdf?src-supplier=Verical, ComponentLink10Description=https://datasheet.ciiva.com/16741/pyu-rc0402-51-rohs-l-6-r-16741080.pdf?src-supplier=Future+Electronics, ComponentLink10URL=https://datasheet.ciiva.com/16741/pyu-rc0402-51-rohs-l-6-r-16741080.pdf?src-supplier=Future+Electronics, Construction=Chip, JESD-609 Code=e3, Mount="Surface Mount", Number of Pins=2, Packaging="Tape and Reel", Pricing 1="10000=0.00110, 50000=0.00100 (CHF)", REACH SVHC=Yes, RoHS=Yes, RoHS Compliant=Yes, Size Code=0402, Stock 1=100000, Supplier 1=Farnell, Technology="METAL GLAZE/THICK FILM", Terminal Finish=Nickel, Termination=Wraparound
R6 R16: library part CMP-2000-03471-1, Manufacturer="Vishay Dale", Manufacturer Part Number=CRCW060356R0FKEA, Max Operating Temperature=155°C, Min Operating Temperature=-55°C, Package Height=0.45mm, Package Length=1.55mm, Package Shape=Rectangular, Package Style=SMTMeter, Package Width=0.85mm, Rated Power Dissipation (P)=100mW, Rated Temperature=70°C, Resistor Type="FIXED RESISTOR", Supplier Part Number 1=541-56.0HCT-ND, Temperature Coefficient=100ppm/°C, Tolerance=1%, Working Voltage=75V, Category="Chip SMD Resistors", ComponentLink1Description=https://datasheet.ciiva.com:443/pdfs/VipMasterIC/IC/VISH/VISH-S-A0007266705/VISH-S-A0007266705-1.pdf?src-supplier=IHS+Markit, ComponentLink1URL=https://datasheet.ciiva.com:443/pdfs/VipMasterIC/IC/VISH/VISH-S-A0007266705/VISH-S-A0007266705-1.pdf?src-supplier=IHS+Markit, ComponentLink2Description=https://datasheet.ciiva.com/11810/0900766b80d98afc-11810033.pdf?src-supplier=RSComponents, ComponentLink2URL=https://datasheet.ciiva.com/11810/0900766b80d98afc-11810033.pdf?src-supplier=RSComponents, ComponentLink3Description=https://datasheet.ciiva.com/2465/dcrcwe3-2465643.pdf?src-supplier=Digi-Key, ComponentLink3URL=https://datasheet.ciiva.com/2465/dcrcwe3-2465643.pdf?src-supplier=Digi-Key, ComponentLink4Description=https://datasheet.ciiva.com/3257/dcrcwe3-3257739.pdf?src-supplier=Avnet, ComponentLink4URL=https://datasheet.ciiva.com/3257/dcrcwe3-3257739.pdf?src-supplier=Avnet, ComponentLink5Description=https://datasheet.ciiva.com/22704/1697337-22704443.pdf?src-supplier=Element14, ComponentLink5URL=https://datasheet.ciiva.com/22704/1697337-22704443.pdf?src-supplier=Element14, ComponentLink6Description=https://datasheet.ciiva.com/3257/dcrcwe3-3257740.pdf?src-supplier=Avnet, ComponentLink6URL=https://datasheet.ciiva.com/3257/dcrcwe3-3257740.pdf?src-supplier=Avnet, ComponentLink7Description=https://datasheet.ciiva.com/16785/70201119-16785354.pdf?src-supplier=Allied+Electronics, ComponentLink7URL=https://datasheet.ciiva.com/16785/70201119-16785354.pdf?src-supplier=Allied+Electronics, ComponentLink8Description=https://datasheet.ciiva.com/2465/dcrcwe3-2465644.pdf?src-supplier=Digi-Key, ComponentLink8URL=https://datasheet.ciiva.com/2465/dcrcwe3-2465644.pdf?src-supplier=Digi-Key, ComponentLink9Description=https://datasheet.ciiva.com/7672/1697337-7672917.pdf?src-supplier=Element14, ComponentLink9URL=https://datasheet.ciiva.com/7672/1697337-7672917.pdf?src-supplier=Element14, ComponentLink10Description=https://datasheet.ciiva.com/2465/dcrcwe3-2465642.pdf?src-supplier=Digi-Key, ComponentLink10URL=https://datasheet.ciiva.com/2465/dcrcwe3-2465642.pdf?src-supplier=Digi-Key, ComponentLink11Description=https://datasheet.ciiva.com/16507/dcrcw-16507994.pdf?src-supplier=Future+Electronics, ComponentLink11URL=https://datasheet.ciiva.com/16507/dcrcw-16507994.pdf?src-supplier=Future+Electronics, Construction=Chip, JESD-609 Code=e3, Mount="Surface Mount", Number of Pins=2, Packaging="Tape and Reel", Part Number=CRCW060356R0FKEA, Pricing 1="1=0.10000, 10=0.03700, 100=0.01490, 1000=0.00670, 2500=0.00582 (USD)", REACH SVHC=Yes, Reference Standard=AEC-Q200, RoHS=Yes, RoHS Compliant=Yes, Size Code=0603, Stock 1=216, Supplier 1=Digi-Key, Technology="METAL GLAZE/THICK FILM", Terminal Finish=Nickel, Termination=Wraparound
R8: library part CMP-2000-03228-1, Manufacturer="Vishay Dale", Manufacturer Part Number=CRCW060330R0FKEA, Max Operating Temperature=155°C, Min Operating Temperature=-55°C, Package Height=0.45mm, Package Length=1.55mm, Package Shape=Rectangular, Package Style=SMTMeter, Package Width=0.85mm, Rated Power Dissipation (P)=100mW, Rated Temperature=70°C, Resistor Type="FIXED RESISTOR", Supplier Part Number 1=541-30.0HDKR-ND, Temperature Coefficient=100ppm/°C, Tolerance=1%, Working Voltage=75V, Category="Chip SMD Resistors", ComponentLink1Description=https://datasheet.ciiva.com:443/pdfs/VipMasterIC/IC/VISH/VISH-S-A0007266705/VISH-S-A0007266705-1.pdf?src-supplier=IHS+Markit, ComponentLink1URL=https://datasheet.ciiva.com:443/pdfs/VipMasterIC/IC/VISH/VISH-S-A0007266705/VISH-S-A0007266705-1.pdf?src-supplier=IHS+Markit, ComponentLink2Description=https://datasheet.ciiva.com/11812/0900766b80d98afc-11812614.pdf?src-supplier=RSComponents, ComponentLink2URL=https://datasheet.ciiva.com/11812/0900766b80d98afc-11812614.pdf?src-supplier=RSComponents, ComponentLink3Description=https://datasheet.ciiva.com/2466/dcrcwe3-2466161.pdf?src-supplier=Digi-Key, ComponentLink3URL=https://datasheet.ciiva.com/2466/dcrcwe3-2466161.pdf?src-supplier=Digi-Key, ComponentLink4Description=https://datasheet.ciiva.com/2466/dcrcwe3-2466162.pdf?src-supplier=Digi-Key, ComponentLink4URL=https://datasheet.ciiva.com/2466/dcrcwe3-2466162.pdf?src-supplier=Digi-Key, ComponentLink5Description=https://datasheet.ciiva.com/2466/dcrcwe3-2466163.pdf?src-supplier=Digi-Key, ComponentLink5URL=https://datasheet.ciiva.com/2466/dcrcwe3-2466163.pdf?src-supplier=Digi-Key, ComponentLink6Description=https://datasheet.ciiva.com/7732/1697337-7732041.pdf?src-supplier=Element14, ComponentLink6URL=https://datasheet.ciiva.com/7732/1697337-7732041.pdf?src-supplier=Element14, ComponentLink7Description=https://datasheet.ciiva.com/8338/dcrcwe3-8338278.pdf?src-supplier=Avnet, ComponentLink7URL=https://datasheet.ciiva.com/8338/dcrcwe3-8338278.pdf?src-supplier=Avnet, ComponentLink8Description=https://datasheet.ciiva.com/16767/70201119-16767414.pdf?src-supplier=Allied+Electronics, ComponentLink8URL=https://datasheet.ciiva.com/16767/70201119-16767414.pdf?src-supplier=Allied+Electronics, ComponentLink9Description=https://datasheet.ciiva.com/5546/dcrcwe3-109170-5546968.pdf?src-supplier=Mouser, ComponentLink9URL=https://datasheet.ciiva.com/5546/dcrcwe3-109170-5546968.pdf?src-supplier=Mouser, ComponentLink10Description=https://datasheet.ciiva.com/7732/1697337-7732040.pdf?src-supplier=Element14, ComponentLink10URL=https://datasheet.ciiva.com/7732/1697337-7732040.pdf?src-supplier=Element14, ComponentLink11Description=https://datasheet.ciiva.com/22708/1697337-22708344.pdf?src-supplier=Element14, ComponentLink11URL=https://datasheet.ciiva.com/22708/1697337-22708344.pdf?src-supplier=Element14, Construction=Chip, JESD-609 Code=e3, Mount="Surface Mount", Number of Pins=2, Packaging="Tape and Reel", Part Number=CRCW060330R0FKEA, Pricing 1="1=0.10000, 10=0.03700, 100=0.01490, 1000=0.00670, 2500=0.00582 (USD)", REACH SVHC=Yes, Reference Standard=AEC-Q200, RoHS=Yes, RoHS Compliant=Yes, Size Code=0603, Stock 1=1285, Supplier 1=Digi-Key, Technology="METAL GLAZE/THICK FILM", Terminal Finish=Nickel, Termination=Wraparound